# Altium PCB PCB1.PcbDoc
Units mm, origin at the board's own origin, x right, y up, seen from the top; angles counter-clockwise.
Board outline 155 x 100 mm, 2 copper layers (Top Layer, Bottom Layer), stack 1.569 mm thick; 63 components, 66 nets, 292 pads, 51 vias.
Unrouted connection lines stored in the file: 3.
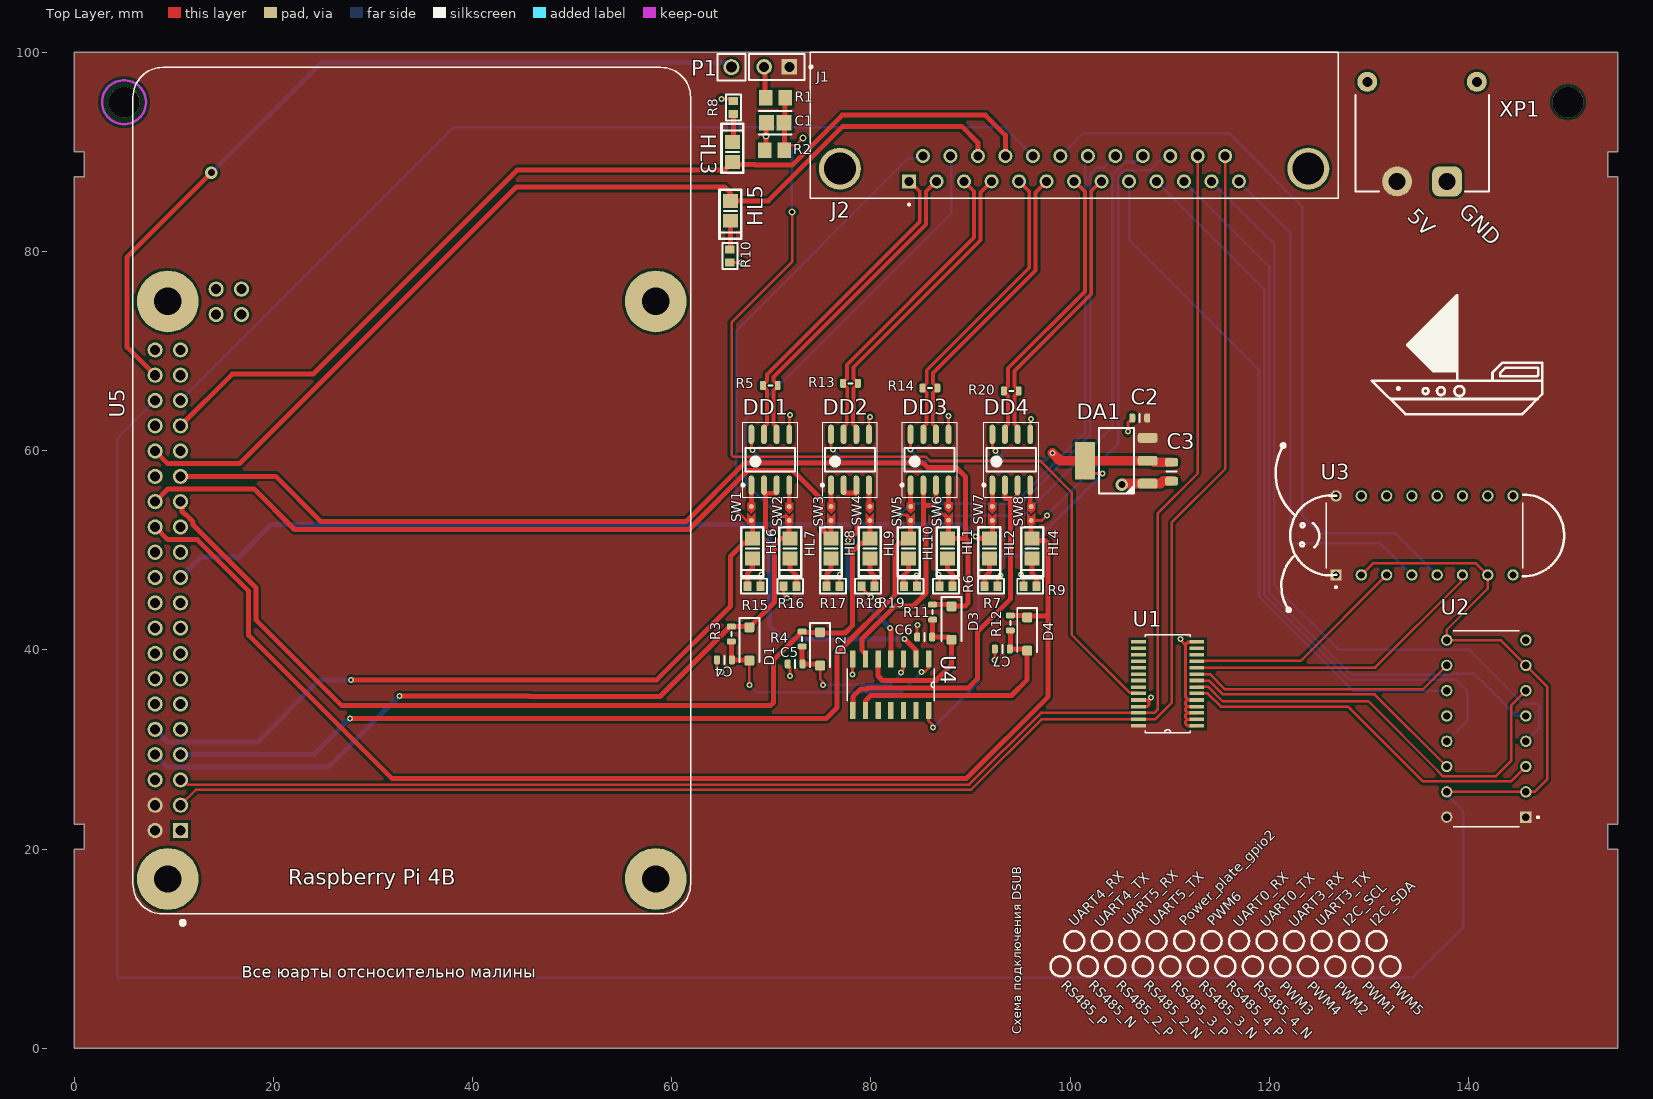
[diagram p0: Top Layer view]
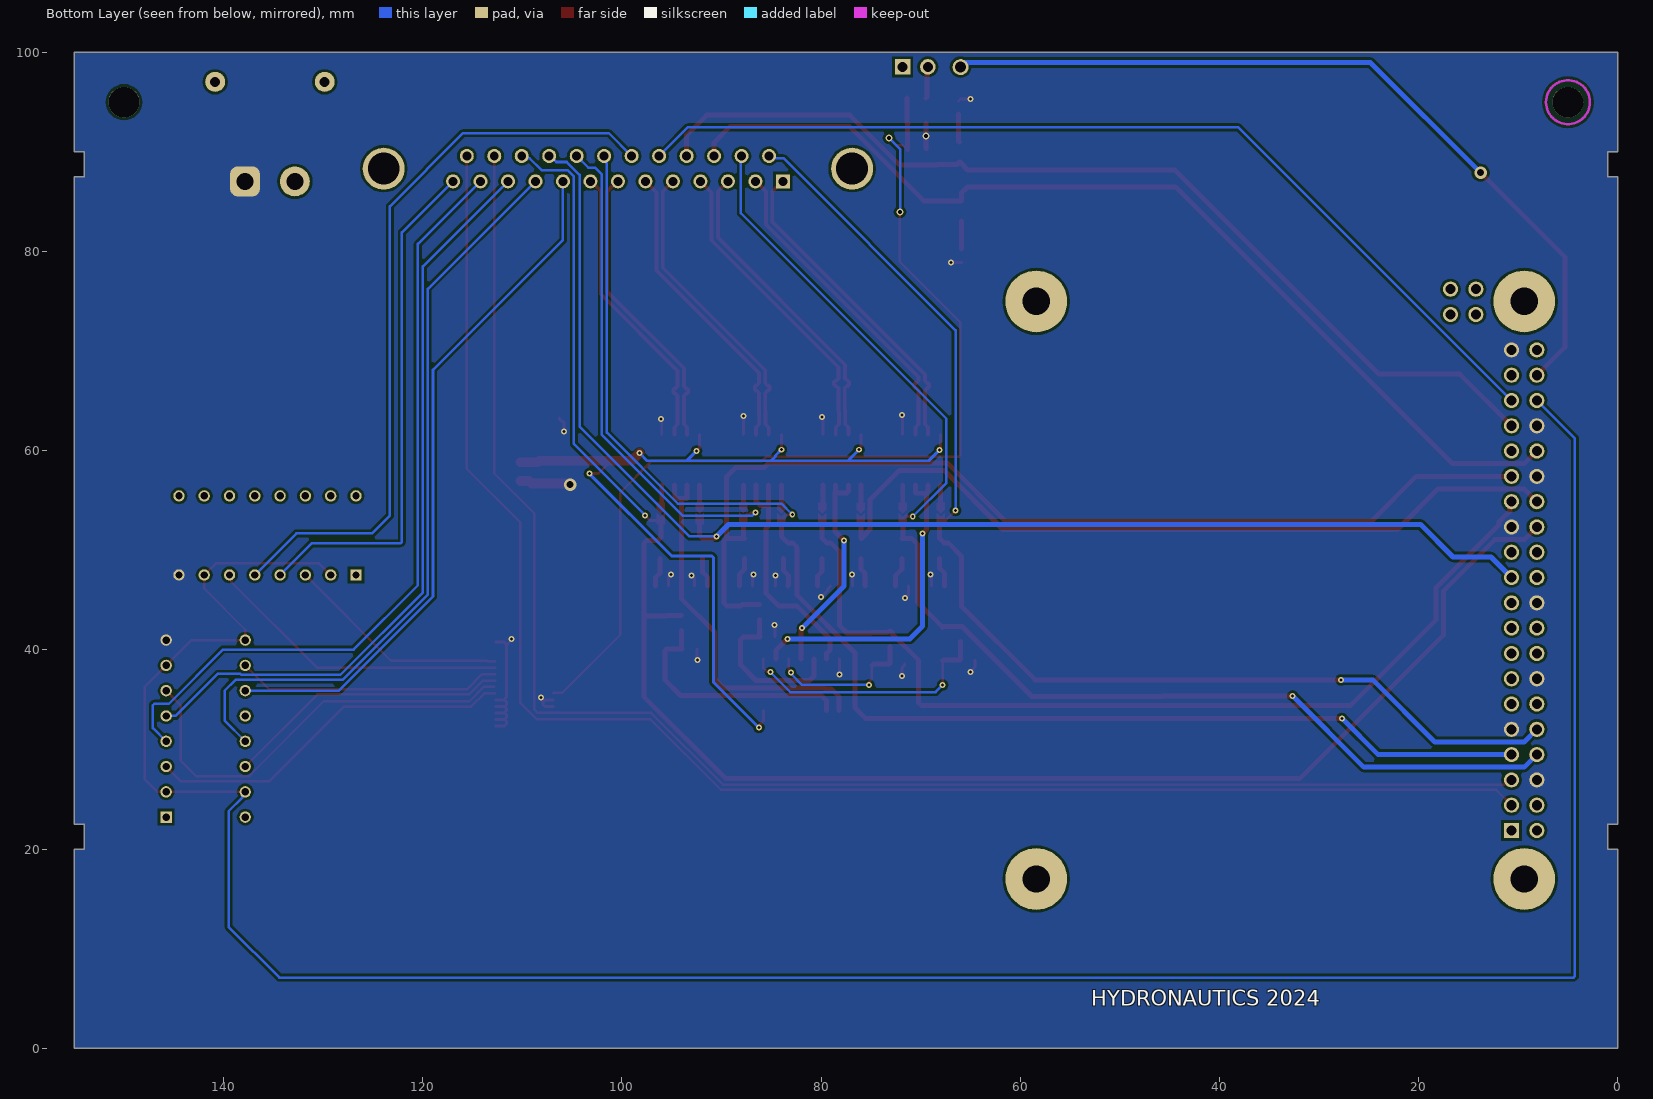
[diagram p1: Bottom Layer view, seen from below]
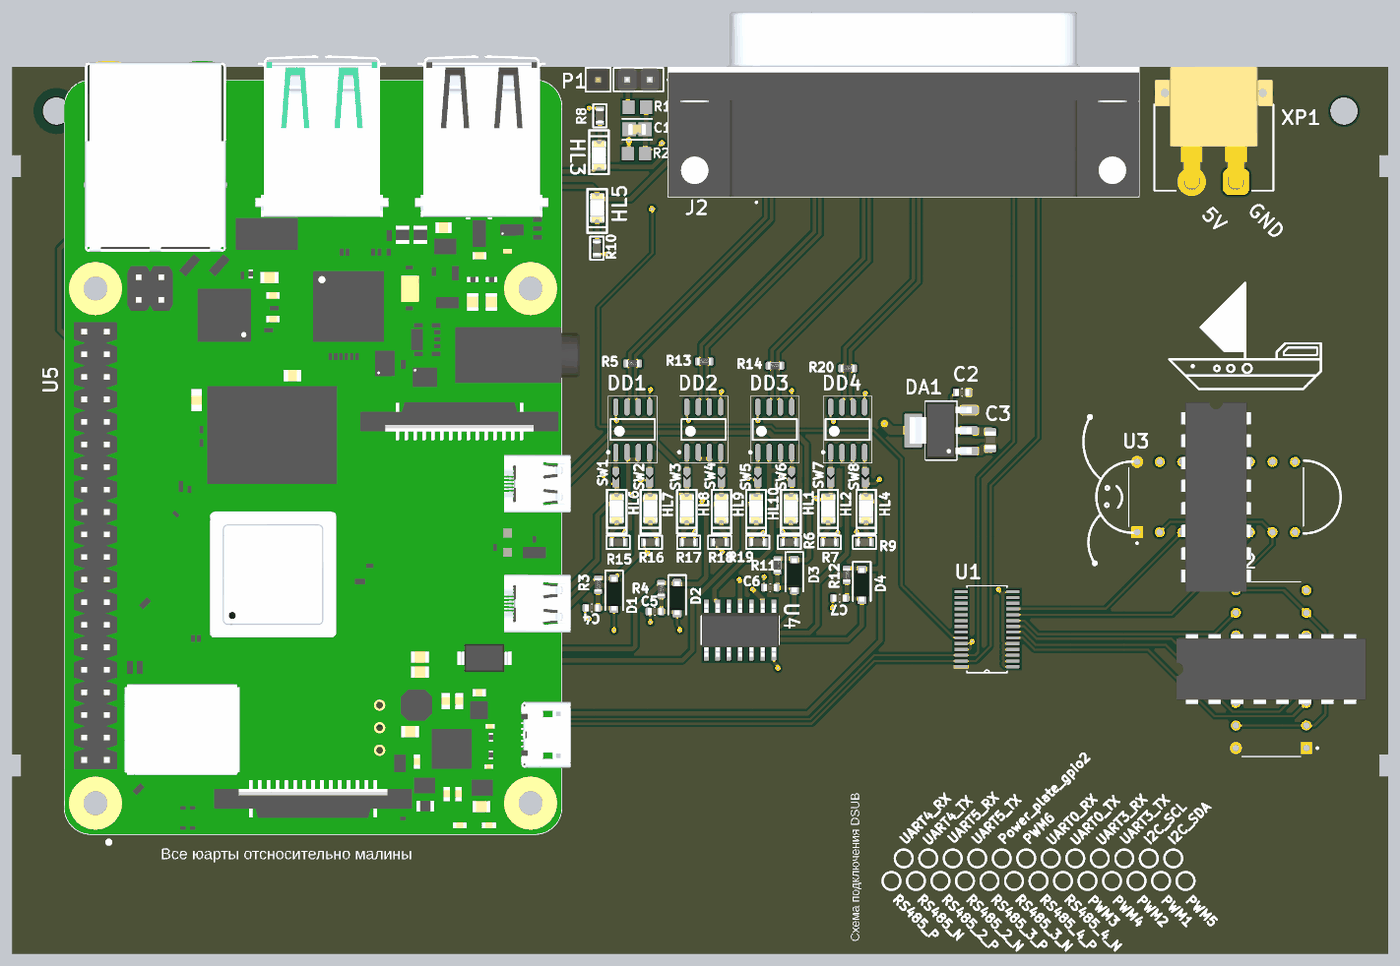
[diagram p2: 3D render of the assembled board from above, using the file's embedded part models]

## Layer stack, top to bottom
Top Solder: solder mask 0.0102, Solder Resist, Dk 3.5
Top Layer: signal copper 0.035
Dielectric 1: core 1.4986, Core-043, Dk 4.3
Bottom Layer: signal copper 0.035
Bottom Solder: solder mask 0.0102, Solder Resist, Dk 3.5

## Board outline
0.006,0.006 0.006,20.006 1.006,20.006 1.006,22.506 0.006,22.506 0.006,87.542 1.006,87.542 1.006,90.042 0.006,90.042 0.006,100.006 155.006,100.006 155.006,90.042 154.006,90.042 154.006,87.542 155.006,87.542 155.006,22.506 154.006,22.506 154.006,20.006 155.006,20.006 155.006,0.006

## Design rules (kind name [scope] priority, off if disabled: settings)
Clearance [All] p1: gap=0.254 ignorepadtopadclearanceinfootprint=FALSE
DiffPairsRouting [All] p1: maxlimit=0.254 minlimit=0.254 mostfreqgap=0.254 toplayer_minwidth=0.381 toplayer_maxwidth=0.381 toplayer_prefwidth=0.381 bottomlayer_minwidth=0.381 bottomlayer_maxwidth=0.381 bottomlayer_prefwidth=0.381 maxuncoupledlength=12.7
PlaneClearance [All] p1: clearance=1
PlaneConnect [All] p1: planeconnectstyle=Direct reliefexpansion=0.508 reliefentries=4 reliefconductorwidth=0.254 reliefairgap=0.254
PolygonConnect [All] p1: connectstyle=Direct reliefconductorwidth=0.254 reliefentries=4 polygonreliefangle="90 Angle" airgapwidth=0.254
RoutingTopology [All] p1: topology=Daisy_Balanced
RoutingVias [All] p1: holewidth=0.711 width=1.27 viastyle="Through Hole" minholewidth=0.711 minwidth=1.27 maxholewidth=0.711 maxwidth=1.27
SolderMaskExpansion [All] p1: expansion=0.102 istentingtop=FALSE
SupplyNets "Schematic Supply Nets_2" [InNet('3.3V')] p1: voltage=0.000
SupplyNets "Schematic Supply Nets_1" [InNet('GND')] p2: voltage=0.000
SupplyNets "Schematic Supply Nets" [InNet('5V')] p3: voltage=0.000
UnRoutedNet [All] p1: checkbadconnections=TRUE
UnpouredPolygon UnpouredPolygon_1 [All] p1:
UnpouredPolygon [All] p2: allowunpoured=TRUE allowshelved=TRUE
Width Width_1 [(InNet('5V') OR InNet('3.3V') OR InNet('GND'))] p1: maxlimit=2 minlimit=0.3 preferedwidth=1
Width [All] p2: maxlimit=0.5 minlimit=0.254 preferedwidth=0.3
24 further rules are at their usual default settings.

## Classes and differential pairs
component class Main: 2 C3 C5 C7 D1 D2 D3 D4 DA1 DD1 DD2 DD3 DD4 HL2 HL4 HL6 HL8 HL10 J2 P1 R4 R6 R7 R8 R9 R10 R11 R12 R13 R15 R17 R19 R20 SW1 SW2 SW3 SW4 SW5 SW6 SW7 SW8 U1 U3 U5 XP1
differential pair RS485_4: +RS485_4_P -RS485_4_N
differential pair RS485_3: +RS485_3_P -RS485_3_N
differential pair RS485: +RS485_P -RS485_N
differential pair RS485_2: +RS485_2_P -RS485_2_N

## Components (designator, comment, footprint, x,y, rotation, side; value= is the part's Value field where it differs from the comment)
C1 "C0805C104K5RACTU" FP-C0805C-DN-IPC_A 70.4,92.95 r180 top value="0.10 мкФ"
C2 "100 nF" C0603C 107,63.3 r180 top
C3 "10 мкФ" C0805C 110.2,57.9 r270 top
C4 "0,1мкФ" C0603C 65.3,39 r180 top
C5 "0,1мкФ" C0603C 72.4,38.6 r180 top
C6 "0,1мкФ" C0603C 85.4,41.3 r180 top
C7 "0,1мкФ" C0603C 93.2,40.1 r180 top
D1 "Diode" SOD-123F 67.8,40.6 r270 top
D2 "Diode" SOD-123F 74.9,40.1 r270 top
D3 "Diode" SOD-123F 88.1,42.7 r270 top
D4 "Diode" SOD-123F 95.7,41.6 r270 top
DA1 "LD1117S33TR" SOT-223 101.5,59 r90 top
DD1 "=Value" SOIC8N 69.9,59.1 r90 top
DD2 "=Value" SOIC8N 77.9,59.1 r90 top
DD3 "=Value" SOIC8N 85.9,59.1 r90 top
DD4 "=Value" SOIC8N 94.1,59.1 r90 top
HL1 "=Value" 0805D 87.8,50.3 r270 top
HL2 "=Value" 0805D 92,50.3 r270 top
HL3 "=Value" 0805D 66,89.9 r90 top
HL4 "=Value" 0805D 96.3,50.3 r270 top
HL5 "=Value" 0805D 66,84.2 r270 top
HL6 "=Value" 0805D 68.2,50.3 r270 top
HL7 "=Value" 0805D 72,50.3 r270 top
HL8 "=Value" 0805D 76.1,50.3 r270 top
HL9 "=Value" 0805D 80,50.3 r270 top
HL10 "=Value" 0805D 83.9,50.3 r270 top
J1 "M20-9990246" FP-M20-9990246-MFG 70.55,98.55 r180 top
J2 "D25S13F6GL00LF" AMPHENOL_D25S13F6GL00LF 100.405,88.33 r180 top
P1 "61300111121" 61300111121 66,98.525 r0 top
R1 "ERJ-6ENF1001V" RESC2013X70X40ML20T20 70.425,95.45 r0 top value="100 Ом"
R2 "ERJ-6ENF1001V" RESC2013X70X40ML20T20 70.325,90.2 r0 top value="10 кОм"
R3 "22 к" C0603R 66,41.6 r270 top
R4 "22 к" C0603R 73.1,41.1 r270 top
R5 "120" C0603R 69.9,66.55 r0 top
R6 "Resistor" 0603R 87.55,46.4 r0 top value=1КОм
R7 "Resistor" 0603R 92.05,46.4 r180 top value=1КОм
R8 "Resistor" 0603R 66.2,94.475 r270 top value=1КОм
R9 "Resistor" 0603R 96,46.4 r0 top value=1КОм
R10 "Resistor" 0603R 65.85,79.55 r90 top value=1КОм
R11 "22 к" C0603R 86.2,43.8 r270 top
R12 "22 к" C0603R 94,42.7 r270 top
R13 "120" C0603R 77.95,66.775 r0 top
R14 "120" C0603R 85.925,66.3 r0 top
R15 "Resistor" 0603R 68.273,46.4 r180 top value=1КОм
R16 "Resistor" 0603R 71.9,46.4 r0 top value=1КОм
R17 "Resistor" 0603R 76.2,46.4 r180 top value=1КОм
R18 "Resistor" 0603R 79.7,46.4 r0 top value=1КОм
R19 "Resistor" 0603R 84,46.4 r180 top value=1КОм
R20 "120" C0603R 94.1,66 r0 top
SW1 "SW2" SW2 68,53 r90 top
SW2 "SW2" SW2 71.8,53 r90 top
SW3 "SW2" SW2 76,53 r90 top
SW4 "SW2" SW2 79.9,53 r90 top
SW5 "SW2" SW2 84,53 r90 top
SW6 "SW2" SW2 87.8,53.025 r90 top
SW7 "SW2" SW2 92.2,53 r90 top
SW8 "SW2" SW2 96.1,53 r90 top
U1 "PCA9685PW,118" SOP65P640X110-28N 109.8,36.6 r180 top
U2 "CD40109BE" DIP794W45P254L1969H508Q16 141.8,32.1 r180 top
U3 "CD40109BE" DIP794W45P254L1969H508Q16 135.6,51.5 r90 top
U4 "74HC14D" SOIC127P600X175-14N 82,36.5 r270 top
U5 "RASPBERRY_PI_4B_4GB" MODULE_RASPBERRY_PI_4B_4GB 33.9,56 r90 top
XP1 "XT30PW-M" XT30PW-M 135.35,97.05 r0 top

## Footprints (in the part's own frame and the unit in brackets; to place one, negate y for a bottom-side part, rotate by r counter-clockwise, add the part's x,y. Pads: shape width x height; smd on the part's side, far side on the other; paste and mask are expansions set on the pad)
0603R [mm] "Chip Resistor, 2-Leads, Body 1.60x0.85mm, IPC Medium Density"
  rect 0.8x0.95 smd: 1(-0.65,0) 2(0.65,0)
  silkscreen extent -1.3,-0.75 1.3,0.75, body extent -0.87,-0.47 0.88,0.48, height 0.9
0805D [mm]
  rect 1.4x1.5 smd: 1(-0.9,-0.1) 2(1.1,-0.1)
  silkscreen extent -2,-1.2 2.93,1, body extent -1.5,-0.9 1.7,0.7, height 1.11
61300111121 [mm] "Pin Header, pitch 2.54 mm, THT, Vertical, single row, 1p"
  round 1.6 hole 1.1: 1(0,0)
  silkscreen extent -1.42,-1.35 1.42,1.35, body extent -1.27,-1.27 1.27,1.27, height 8.57
AMPHENOL_D25S13F6GL00LF [mm]
  rect 1.408x1.408 hole 0.9: 01(16.56,1.27)
  round 1.408 hole 0.9: 02(13.8,1.27) 03(11.04,1.27) 04(8.28,1.27) 05(5.52,1.27) 06(2.76,1.27) 07(0,1.27) 08(-2.76,1.27) 09(-5.52,1.27) 10(-8.28,1.27) 11(-11.04,1.27) 12(-13.8,1.27) 13(-16.56,1.27) 14(15.18,-1.27) 15(12.42,-1.27) 16(9.66,-1.27) 17(6.9,-1.27) 18(4.14,-1.27) 19(1.38,-1.27) 20(-1.38,-1.27) 21(-4.14,-1.27) 22(-6.9,-1.27) 23(-9.66,-1.27) 24(-12.42,-1.27) 25(-15.18,-1.27)
  round 4.216 hole 3.2: S1(-23.52,0) S2(23.52,0)
  silkscreen extent -26.51,-11.67 26.51,3.71, body extent -26.51,-17.84 26.51,2.98, height 13.48
C0603C [mm]
  rrect50% 0.6x0.9 smd: 1(-0.75,0) 2(0.75,0)
  silkscreen extent 0,-0.4 0,0.4, body extent -0.8,-0.4 0.8,0.4, height 0.95
C0603R [mm]
  rrect50% 0.6x0.9 smd: 1(-0.75,0) 2(0.75,0)
  silkscreen extent -0.2,0 0.2,0, body extent -0.8,-0.4 0.8,0.4, height 0.44
C0805C [mm]
  rrect50% 0.9x1.3 smd: 1(-0.95,0) 2(0.95,0)
  silkscreen extent 0,-0.5 0,0.5, body extent -1,-0.62 1,0.62, height 1
DIP794W45P254L1969H508Q16 [mm]
  rect 1.14x1.14 / inner round 1.14 / far side rect 1.14x1.14 hole 0.74: 1(-3.97,8.89)
  round 1.14 hole 0.74: 2(-3.97,6.35) 3(-3.97,3.81) 4(-3.97,1.27) 5(-3.97,-1.27) 6(-3.97,-3.81) 7(-3.97,-6.35) 8(-3.97,-8.89) 9(3.97,-8.89) 10(3.97,-6.35) 11(3.97,-3.81) 12(3.97,-1.27) 13(3.97,1.27) 14(3.97,3.81) 15(3.97,6.35) 16(3.97,8.89)
  silkscreen extent -5.3,-9.85 3.3,9.85, body extent -3.95,-10.67 3.95,10.67, height 5.08
FP-C0805C-DN-IPC_A [mm]
  rect 1.505x1.556 smd paste+0 mask+0: 1(-0.901,0) 2(0.901,0)
  silkscreen extent -1.65,-1.18 1.65,1.18, body extent -2.15,-1.28 2.15,1.28, height 0.25
FP-M20-9990246-MFG [mm]
  rect 1.57x1.57 hole 1.02 paste-2539.97 mask+0: 1(-1.27,0)
  round 1.57 hole 1.02 paste-2539.97 mask+0: 2(1.27,0)
  silkscreen extent -3.55,-1.32 2.79,1.32, body extent -2.89,-1.42 2.89,1.42, height 0.25
MODULE_RASPBERRY_PI_4B_4GB [mil]
  rect 60x60 / inner round 60 / far side rect 60x60 hole 40: 1(-1343.7,914.57)
  round 60 hole 40: 2(-1343.7,1014.57) 3(-1243.7,914.57) 4(-1243.7,1014.57) 5(-1143.7,914.57) 6(-1143.7,1014.57) 7(-1043.7,914.57) 8(-1043.7,1014.57) 9(-943.7,914.57) 10(-943.7,1014.57) 11(-843.7,914.57) 12(-843.7,1014.57) 13(-743.7,914.57) 14(-743.7,1014.57) 15(-643.7,914.57) 16(-643.7,1014.57) 17(-543.7,914.57) 18(-543.7,1014.57) 19(-443.7,914.57) 20(-443.7,1014.57) 21(-343.7,914.57) 22(-343.7,1014.57) 23(-243.7,914.57) 24(-243.7,1014.57) 25(-143.7,914.57) 26(-143.7,1014.57) 27(-43.7,914.57) 28(-43.7,1014.57) 29(56.3,914.57) 30(56.3,1014.57) 31(156.3,914.57) 32(156.3,1014.57) 33(256.3,914.57) 34(256.3,1014.57) 35(356.3,914.57) 36(356.3,1014.57) 37(456.3,914.57) 38(456.3,1014.57) 39(556.3,914.57) 40(556.3,1014.57) 41(796.46,673.5) 42(796.46,773.5) 43(696.46,673.5) 44(696.46,773.5)
  round 244.09 hole 108.27: S1(-1535.43,964.57) S2(748.03,964.57) S3(748.03,-964.57) S4(-1535.43,-964.57)
  silkscreen extent -1717,-1102 1673,1102, body extent -1673,-1181 1783,1102, height 789
RESC2013X70X40ML20T20 [mm] "Chip Resistor, 2-Leads, Body 2.00x1.25mm, IPC Low Density"
  rect 1.35x1.55 smd: 1(-0.975,0) 2(0.975,0)
  body extent -1.1,-0.72 1.1,0.72, height 0.7
SOD-123F [mm] "SMD"
  rrect30% 1x1 smd: A(1.675,0) K(-1.675,0)
  silkscreen extent -2.6,-1 1.83,1, body extent -1.9,-0.8 1.9,0.8, height 1
SOIC8N [mm] "SOIC, 8-Leads, Body 4,90x3,90mm, Pitch 1,27mm, IPC Medium Density"
  oval 1.95x0.6 smd: 1(-2.55,1.905) 2(-2.55,0.635) 3(-2.55,-0.635) 4(-2.55,-1.905) 5(2.55,-1.905) 6(2.55,-0.635) 7(2.55,0.635) 8(2.55,1.905)
  silkscreen extent -3.75,-2.75 3.75,2.88, body extent -2,-2.5 2,2.5, height 1.75
SOIC127P600X175-14N [mil]
  rect 67x21 smd: 1(-102,150) 2(-102,100) 3(-102,50) 4(-102,0) 5(-102,-50) 6(-102,-100) 7(-102,-150) 8(102,-150) 9(102,-100) 10(102,-50) 11(102,0) 12(102,50) 13(102,100) 14(102,150)
  silkscreen extent -63,-172 63,172, body extent -118,-170 118,170, height 69
SOP65P640X110-28N [mil]
  rect 58x14 smd: 1(-115,166) 2(-115,141) 3(-115,115) 4(-115,90) 5(-115,64) 6(-115,38) 7(-115,13) 8(-115,-13) 9(-115,-38) 10(-115,-64) 11(-115,-90) 12(-115,-115) 13(-115,-141) 14(-115,-166) 15(115,-166) 16(115,-141) 17(115,-115) 18(115,-90) 19(115,-64) 20(115,-38) 21(115,-13) 22(115,13) 23(115,38) 24(115,64) 25(115,90) 26(115,115) 27(115,141) 28(115,166)
  silkscreen extent -89,-193 89,193
SOT-223 [mm]
  rrect50% 1x2 smd: 1(-2.3,-6.3) 2(0,-6.3) 3(2.3,-6.3)
  rrect10% 3.8x2 smd: 4(0,0)
  silkscreen extent -3.3,-4.9 3.3,-1.4, body extent -3.25,-6.6 3.25,0.4, height 1.8
SW2 [mm]
  round 0.5 smd paste+0 mask+0: 1(0,0) 2(1.4,0)
  Top Layer region: 1.1,0.4 0.7,0 1.1,-0.4 1.8,-0.4 1.8,0.4
  Top Layer region: -0.4,0.4 -0.4,-0.4 0.8,-0.4 0.4,0 0.8,0.4
XT30PW-M [mm]
  round 2 hole 1: 0(-5.5,0) 0(5.5,0)
  rrect50% 3x3 hole 1.7: 1(2.5,-10)
  round 3 hole 1.7: 2(-2.5,-10)
  silkscreen extent -6.7,-11 6.7,-1.3, body extent -6.65,-11 6.65,2.95, height 5

## Part data
C1: library part CMP-2007-00279-2, "CAP CER 0.1UF 50V X7R 0805", Capacitance="0.10 μF", Manufacturer=KEMET, Package=C0805C-DN, Temperature="-55°C to +125°C", Temperature Characteristic=X7R, Temperature Coefficient=30ppm/°C, Temperature Range High=+125°C, Temperature Range Low=-55°C, Tolerance=0.1, Voltage Rating="50 V", Automotive=No, Category=Cap, ComponentLink2Description=Datasheet, ComponentLink2URL=https://content.kemet.com/datasheets/KEM_C1003_C0G_SMD.pdf, Device Class L1="Passive Components", Device Class L2=Capacitors, Device Class L3="Ceramic Capacitors", Digikey Description="CAP CER 0.1UF 50V X7R 0805", Height=0.88mm, Ipc Land Pattern Name=CAPC200125X78, Lead Free=Yes, Manufacturer Part Number=C0805C104K5RACTU, Material=Ceramic, Mouser Description="Cap Ceramic 0.1uF 50V X7R 10% SMD 2.0 x 1.2 mm 125 C Paper T/R", Octopart=https://octopart.com/c0805c104k5ractu-kemet-143926, RoHS=TRUE
C2: library part CL05B103KA5NNNC, "SMD 0402 ; X7R; 0,01 мкФ; 25 В", Dielectric=X7R, Manufacturer=SAMSUNG, Package="SMD 0402", Voltage="25 В", ComponentLink1Description=Datasheet, Part Number=CL05B103KA5NNNC, Persent=±10%, Type=Ceramic
C3: library part CL21B106KOQNNNE, "SMD 0805; X7R; 10 мкФ; 16 В", Dielectric=X7R, Manufacturer=SAMSUNG, Package="SMD 0805", Voltage="16 В", ComponentLink1Description=Datasheet, Part Number=CL21B106KOQNNNE, Persent=±15%, Type=Ceramic
C4 C5 C6 C7: library part CL10B152KB8NNNC, "SMD 0603 ; X7R; 1,5 нФ; 50 В", Dielectric=X7R, Manufacturer=SAMSUNG, Package="SMD 0603", Voltage="16 В", ComponentLink1Description=Datasheet, Part Number=CL10B152KB8NNNC, Persent=±15%, Type=Ceramic
D1 D2 D3 D4: library part Schottky-Diode, Datasheet=https://diotec.com/de/produktliste/SBD.html, ki_description="Schottky Diode", ki_keywords=Schottky
DA1: "Linear regulator, 3V3", Manufacturer=STMicroelectronics, Part Number=LD1117S33TR, Type="Linear regulator"
DD1 DD2 DD3 DD4: library part MAX3072E, "Half-duplex", Case="soic-8(0.154 inch)", Manufacturer=MAXIM, Datasheet=https://static.chipdip.ru/lib/276/DOC000276899.pdf, Notice="True fail-safe", Rate=3.3v, Shop=https://www.chipdip.ru/product/max3072eesa
HL1 HL4 HL5 HL7 HL9: library part LED, Case=-, Color=Красный, Datasheet=-, Manufacturer=-, Notice=-, Rate=-, Shop=-
HL2 HL3 HL6 HL8 HL10: library part LED, Case=-, Color=Зеленый, Datasheet=-, Manufacturer=-, Notice=-, Rate=-, Shop=-
J1: library part CMP-15831-000009-1, "CONN HEADER VERT 2POS 2.54MM", Current Rating=3A, Manufacturer=Harwin, Temperature="-40°C to +105°C", Temperature Range High=+105°C, Temperature Range Low=-40°C, Automotive=No, Category=Conn, ComponentLink2Description=Datasheet, ComponentLink2URL=https://cdn.harwin.com/pdfs/M20-999.pdf, Conn Gender=Male, Conn Orientation=Vertical, Contact Material=Tin,Nickel, Device Class L1=Connectors, Device Class L2="Headers and Wire Housings", Device Class L3=unset, Digikey Description="CONN HEADER VERT 2POS 2.54MM", Height=8.99mm, Lead Free=Yes, Manufacturer Part Number=M20-9990246, Mouser Description="2.54mm (0.1\") Pitch SIL Vertical PC Tail Pin Header, 6.1mm mating pin height, tin, 2 contacts", Number of Contacts=2, Number of Rows=1, Octopart=https://octopart.com/m20-9990246-harwin-2590635, Package=M20-9990246, Pitch=2.54mm, RoHS=TRUE